# Altium PCB WX0.000.863拼板.PcbDoc (part 8 of 15)
Units mm, origin at the board's own origin, x right, y up, seen from the top; angles counter-clockwise.
Board outline 150.37 x 286.89 mm, 2 copper layers (Top Layer, Bottom Layer); 840 components, 0 nets, 2516 pads, 1604 vias.
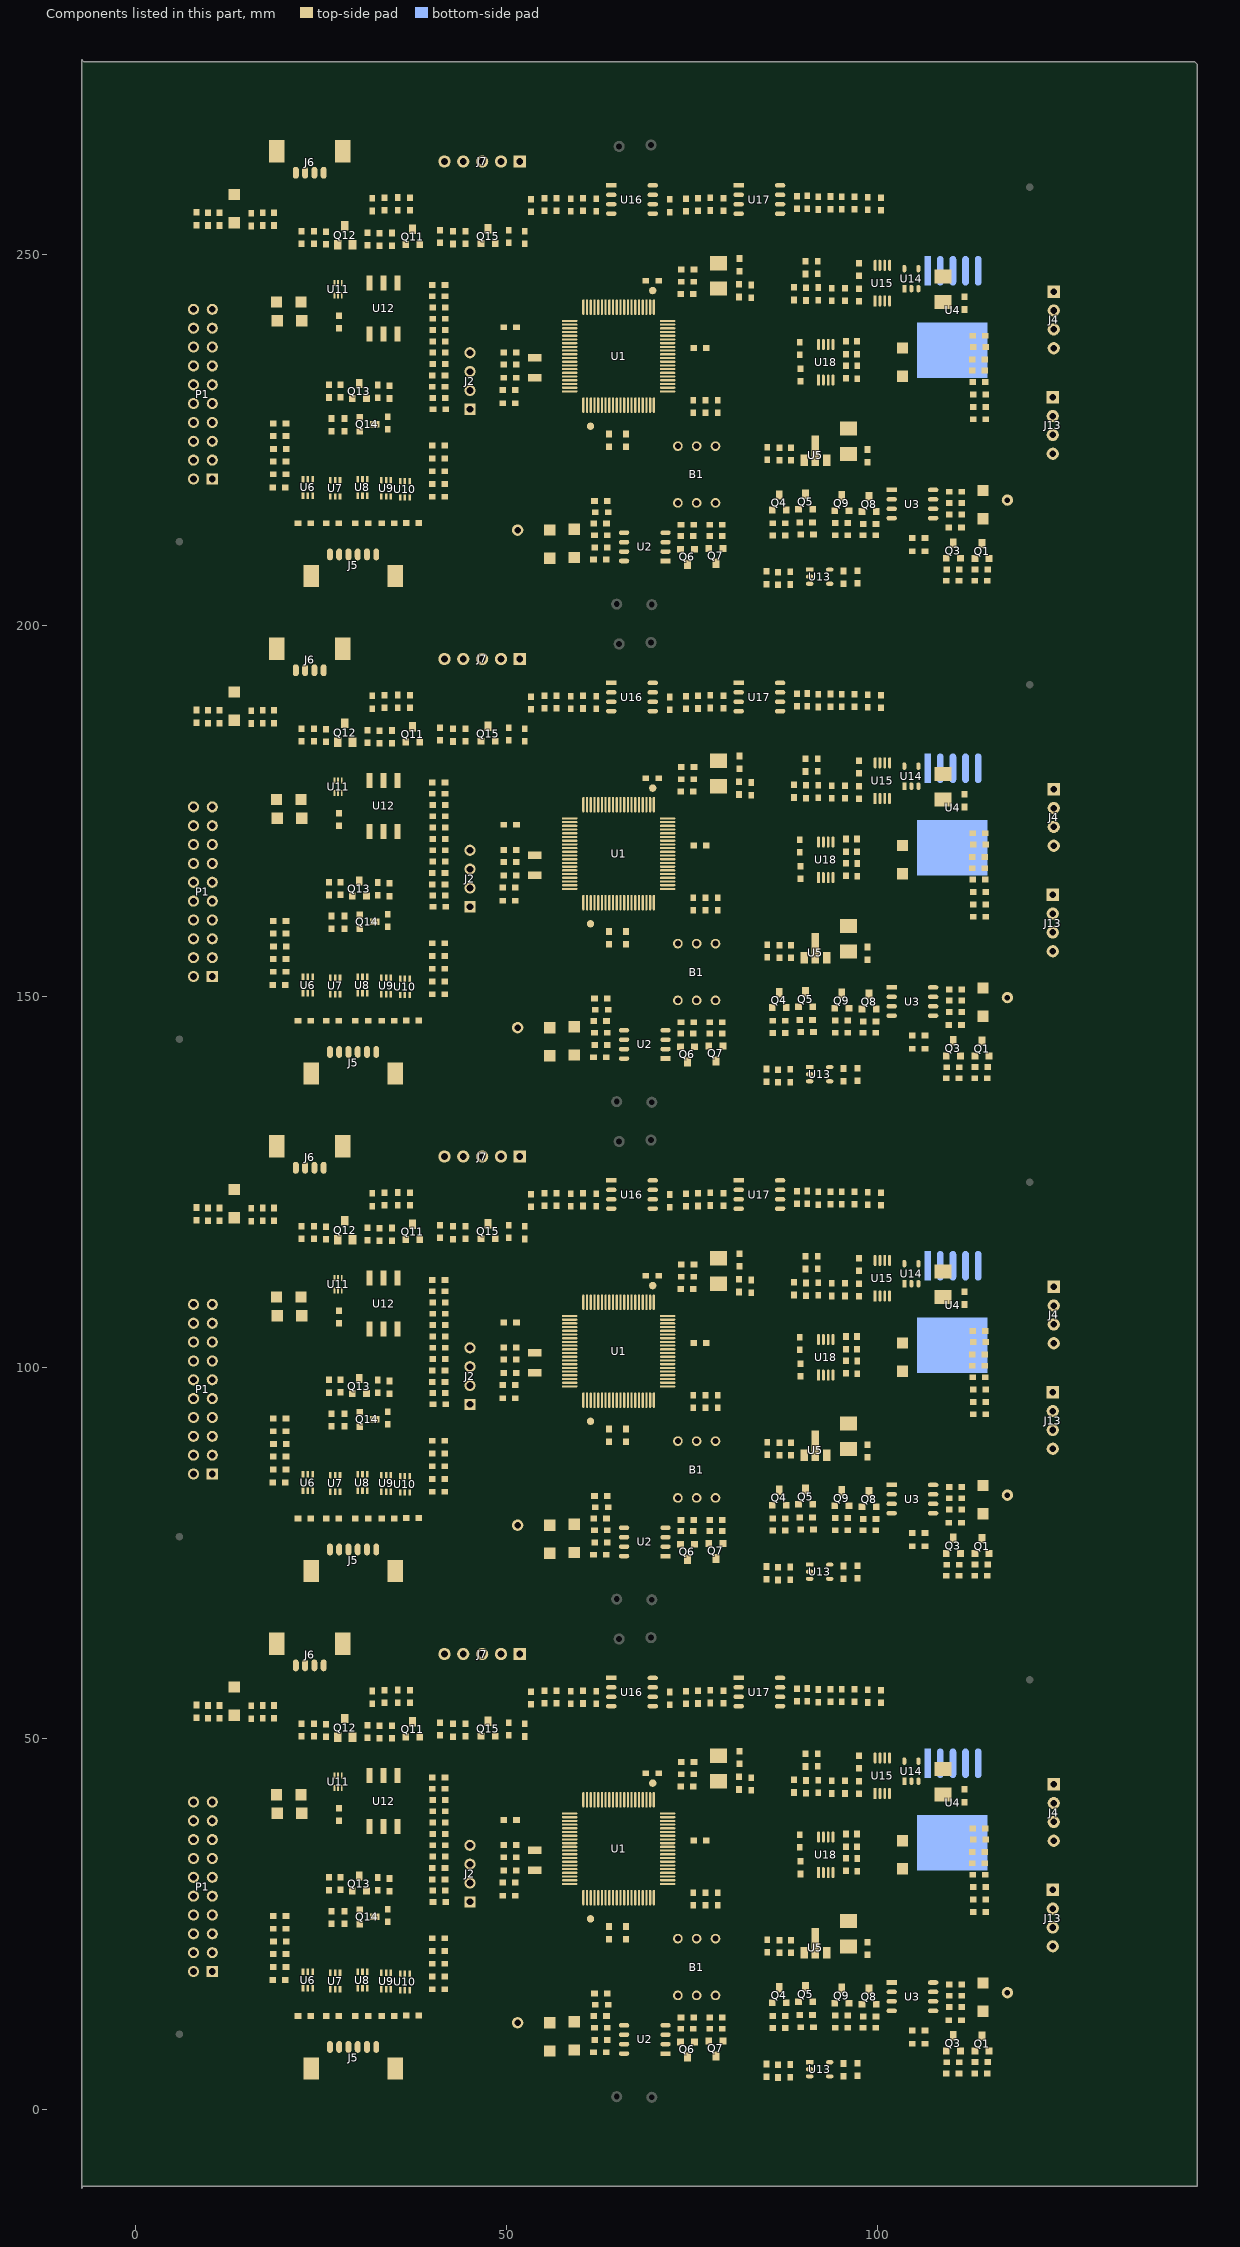
[diagram p8: the components of this part, seen from the top]

## Via types
v1: diameter 0.635, hole 0.381, Top Layer to Bottom Layer, tented both sides, 1604 vias

## Nets (pads, with @x,y where several pads share a name; then routed paths per layer and width w, separated by ;. In a path a pad name is that pad's centre, name@x,y a point inside that pad or via, vN(x,y) a via of type N, cw(c..) or ccw(c..) an arc to the next point about the centre after c; other vN are vias at no path point) (continued)
copper on no net: (continued)
  Top Layer w0.254: 10.363,23.629 10.624,23.629 12.167,25.171 12.167,25.721 17.668,31.223 17.668,32.258 18.974,33.564 26.854,33.564 26.88,33.538 28.103,33.538 29.54,34.976 36.982,34.976 37.922,34.036 40.05,34.036 ; 10.363,23.998 ccw(c10.363,25.518) 11.438,24.443 ; 10.363,24.252 ccw(c10.363,26.385) 11.872,24.876 ; 10.363,26.169 11.974,26.169 17.216,31.41 17.216,32.477 18.755,34.016 27.042,34.016 27.067,33.99 27.915,33.99 29.353,35.428 39.918,35.428 40.05,35.56 ; 10.363,28.709 13.875,28.709 16.764,31.598 16.764,32.664 18.567,34.468 27.753,34.468 29.166,35.88 38.719,35.88 40.05,37.211 ; 10.363,90.685 10.624,90.685 12.167,92.227 12.167,92.777 17.668,98.279 17.668,99.314 18.974,100.62 26.854,100.62 26.88,100.594 28.103,100.594 29.54,102.032 36.982,102.032 37.922,101.092 40.05,101.092 ; 10.363,91.054 ccw(c10.363,92.574) 11.438,91.499 ; 10.363,91.308 ccw(c10.363,93.441) 11.872,91.932 ; 10.363,93.225 11.974,93.225 17.216,98.466 17.216,99.533 18.755,101.072 27.042,101.072 27.067,101.046 27.915,101.046 29.353,102.484 39.918,102.484 40.05,102.616 ; 10.363,95.765 13.875,95.765 16.764,98.654 16.764,99.72 18.567,101.524 27.753,101.524 29.166,102.936 38.719,102.936 40.05,104.267 ; 10.363,157.741 10.624,157.741 12.167,159.283 12.167,159.833 17.668,165.335 17.668,166.37 18.974,167.676 26.854,167.676 26.88,167.65 28.103,167.65 29.54,169.088 36.982,169.088 37.922,168.148 40.05,168.148 ; 10.363,158.11 ccw(c10.363,159.63) 11.438,158.555 ; 10.363,158.364 ccw(c10.363,160.497) 11.872,158.988 ; 10.363,160.281 11.974,160.281 17.216,165.522 17.216,166.589 18.755,168.128 27.042,168.128 27.067,168.102 27.915,168.102 29.353,169.54 39.918,169.54 40.05,169.672 ; 10.363,162.821 13.875,162.821 16.764,165.71 16.764,166.776 18.567,168.58 27.753,168.58 29.166,169.992 38.719,169.992 40.05,171.323 ; 10.363,224.797 10.624,224.797 12.167,226.339 12.167,226.889 17.668,232.391 17.668,233.426 18.974,234.732 26.854,234.732 26.88,234.706 28.103,234.706 29.54,236.144 36.982,236.144 37.922,235.204 40.05,235.204 ; 10.363,225.166 ccw(c10.363,226.686) 11.438,225.611 ; 10.363,225.42 ccw(c10.363,227.553) 11.872,226.044 ; 10.363,227.337 11.974,227.337 17.216,232.578 17.216,233.645 18.755,235.184 27.042,235.184 27.067,235.158 27.915,235.158 29.353,236.596 39.918,236.596 40.05,236.728 ; 10.363,229.877 13.875,229.877 16.764,232.766 16.764,233.832 18.567,235.636 27.753,235.636 29.166,237.048 38.719,237.048 40.05,238.379 ; 10.624,25.908 cw(c11.254,25.278) 11.254,26.169 cw(c11.254,27.059) 10.624,26.43 ; 10.624,28.448 cw(c11.254,27.818) 11.254,28.709 cw(c11.254,29.599) 10.624,28.97 ; 10.624,92.964 cw(c11.254,92.334) 11.254,93.225 cw(c11.254,94.115) 10.624,93.486 ; 10.624,95.504 cw(c11.254,94.874) 11.254,95.765 cw(c11.254,96.655) 10.624,96.026 ; 10.624,160.02 cw(c11.254,159.39) 11.254,160.281 cw(c11.254,161.171) 10.624,160.542 ; 10.624,162.56 cw(c11.254,161.93) 11.254,162.821 cw(c11.254,163.711) 10.624,163.082 ; 10.624,227.076 cw(c11.254,226.446) 11.254,227.337 cw(c11.254,228.227) 10.624,227.598 ; 10.624,229.616 cw(c11.254,228.986) 11.254,229.877 cw(c11.254,230.767) 10.624,230.138 ; 10.804,25.728 cw(c11.867,24.665) 11.867,26.169 cw(c11.867,27.673) 10.804,26.609 ; 10.804,28.268 cw(c11.867,27.205) 11.867,28.709 cw(c11.867,30.213) 10.804,29.149 ; 10.804,92.784 cw(c11.867,91.721) 11.867,93.225 cw(c11.867,94.729) 10.804,93.665 ; 10.804,95.324 cw(c11.867,94.261) 11.867,95.765 cw(c11.867,97.269) 10.804,96.205 ; 10.804,159.84 cw(c11.867,158.777) 11.867,160.281 cw(c11.867,161.785) 10.804,160.721 ; 10.804,162.38 cw(c11.867,161.317) 11.867,162.821 cw(c11.867,164.325) 10.804,163.261 ; 10.804,226.896 cw(c11.867,225.833) 11.867,227.337 cw(c11.867,228.841) 10.804,227.777 ; 10.804,229.436 cw(c11.867,228.373) 11.867,229.877 cw(c11.867,231.381) 10.804,230.317 ; 10.986,23.629 cw(c11.861,23.629) 11.242,24.247 ; 10.986,90.685 cw(c11.861,90.685) 11.242,91.303 ; 10.986,157.741 cw(c11.861,157.741) 11.242,158.359 ; 10.986,224.797 cw(c11.861,224.797) 11.242,225.415 ; v1(17.272,26.111) 17.348,26.035 18.593,26.035 19.456,26.899 21.488,26.899 22.118,26.269 22.118,23.266 22.601,22.784 24.867,22.784 27.005,20.645 34.731,20.645 35.289,20.087 37.958,20.087 38.482,19.563 38.482,17.922 40.005,16.398 40.005,16.154 ; v1(17.272,93.167) 17.348,93.091 18.593,93.091 19.456,93.955 21.488,93.955 22.118,93.325 22.118,90.322 22.601,89.84 24.867,89.84 27.005,87.701 34.731,87.701 35.289,87.143 37.958,87.143 38.482,86.619 38.482,84.978 40.005,83.454 40.005,83.21 ; v1(17.272,160.223) 17.348,160.147 18.593,160.147 19.456,161.011 21.488,161.011 22.118,160.381 22.118,157.378 22.601,156.896 24.867,156.896 27.005,154.757 34.731,154.757 35.289,154.199 37.958,154.199 38.482,153.675 38.482,152.034 40.005,150.51 40.005,150.266 ; v1(17.272,227.279) 17.348,227.203 18.593,227.203 19.456,228.067 21.488,228.067 22.118,227.437 22.118,224.434 22.601,223.952 24.867,223.952 27.005,221.813 34.731,221.813 35.289,221.255 37.958,221.255 38.482,220.731 38.482,219.09 40.005,217.566 40.005,217.322 ; v1@17.407,26.246 ccw(c17.916,26.755) 17.916,26.035 ; v1@17.407,93.302 ccw(c17.916,93.811) 17.916,93.091 ; v1@17.407,160.358 ccw(c17.916,160.867) 17.916,160.147 ; v1@17.407,227.414 ccw(c17.916,227.923) 17.916,227.203 ; 18.353,25.846 ccw(c17.898,25.391) 17.898,26.035 ccw(c17.898,26.679) 18.353,26.224 ; 18.353,92.902 ccw(c17.898,92.447) 17.898,93.091 ccw(c17.898,93.735) 18.353,93.28 ; 18.353,159.958 ccw(c17.898,159.503) 17.898,160.147 ccw(c17.898,160.791) 18.353,160.336 ; 18.353,227.014 ccw(c17.898,226.559) 17.898,227.203 ccw(c17.898,227.847) 18.353,227.392 ; 18.644,26.302 ccw(c18.644,26.823) 19.012,26.454 ; 18.644,93.358 ccw(c18.644,93.879) 19.012,93.51 ; 18.644,160.414 ccw(c18.644,160.935) 19.012,160.566 ; 18.644,227.47 ccw(c18.644,227.991) 19.012,227.622 ; 18.91,26.035 cw(c19.677,26.035) 19.135,26.577 ; 18.91,93.091 cw(c19.677,93.091) 19.135,93.633 ; 18.91,160.147 cw(c19.677,160.147) 19.135,160.689 ; 18.91,227.203 cw(c19.677,227.203) 19.135,227.745 ; 20.193,17.399 20.752,17.399 ; 20.193,84.455 20.752,84.455 ; 20.193,151.511 20.752,151.511 ; 20.193,218.567 20.752,218.567 ; 20.246,17.386 cw(c20.391,16.527) 21.008,17.143 ; 20.246,84.442 cw(c20.391,83.583) 21.008,84.199 ; 20.246,151.498 cw(c20.391,150.639) 21.008,151.255 ; 20.246,218.554 cw(c20.391,217.695) 21.008,218.311 ; 20.251,17.389 cw(c20.504,17.055) 20.8,17.351 ; 20.251,84.445 cw(c20.504,84.111) 20.8,84.407 ; 20.251,151.501 cw(c20.504,151.167) 20.8,151.463 ; 20.251,218.557 cw(c20.504,218.223) 20.8,218.519 ; 20.295,19.177 21.913,19.177 22.591,18.499 ; 20.295,20.892 23.99,20.892 26.274,18.608 26.274,18.372 ; 20.295,24.32 21.133,23.482 21.133,22.433 21.77,21.796 24.365,21.796 26.425,19.736 32.131,19.736 33.208,18.659 ; 20.295,26.035 21.666,24.663 21.666,22.626 22.045,22.248 24.641,22.248 26.695,20.193 34.544,20.193 35.672,19.065 35.672,18.245 ; 20.295,86.233 21.913,86.233 22.591,85.555 ; 20.295,87.947 23.99,87.947 26.274,85.664 26.274,85.428 ; 20.295,91.376 21.133,90.538 21.133,89.489 21.77,88.852 24.365,88.852 26.425,86.792 32.131,86.792 33.208,85.715 ; 20.295,93.091 21.666,91.719 21.666,89.682 22.045,89.304 24.641,89.304 26.695,87.249 34.544,87.249 35.672,86.121 35.672,85.301 ; 20.295,153.289 21.913,153.289 22.591,152.611 ; 20.295,155.004 23.99,155.004 26.274,152.72 26.274,152.484 ; 20.295,158.433 21.133,157.594 21.133,156.545 21.77,155.908 24.365,155.908 26.425,153.848 32.131,153.848 33.208,152.771 ; 20.295,160.147 21.666,158.775 21.666,156.738 22.045,156.36 24.641,156.36 26.695,154.305 34.544,154.305 35.672,153.177 35.672,152.357 ; 20.295,220.345 21.913,220.345 22.591,219.667 ; 20.295,222.059 23.99,222.059 26.274,219.776 26.274,219.54 ; 20.295,225.488 21.133,224.65 21.133,223.601 21.77,222.964 24.365,222.964 26.425,220.904 32.131,220.904 33.208,219.827 ; 20.295,227.203 21.666,225.831 21.666,223.794 22.045,223.416 24.641,223.416 26.695,221.361 34.544,221.361 35.672,220.233 35.672,219.413 ; 20.32,22.606 21.582,21.344 24.178,21.344 25.301,20.221 26.238,19.284 29.662,19.284 29.957,18.989 29.957,18.499 ; 20.32,89.662 21.582,88.4 24.178,88.4 25.301,87.277 26.238,86.34 29.662,86.34 29.957,86.045 29.957,85.555 ; 20.32,156.718 21.582,155.456 24.178,155.456 25.301,154.333 26.238,153.396 29.662,153.396 29.957,153.101 29.957,152.611 ; 20.32,223.774 21.582,222.512 24.178,222.512 25.301,221.389 26.238,220.452 29.662,220.452 29.957,220.157 29.957,219.667 ; 20.345,24.054 cw(c20.345,23.533) 20.714,23.901 ; 20.345,25.768 cw(c20.345,25.247) 20.714,25.616 ; 20.345,91.11 cw(c20.345,90.589) 20.714,90.957 ; 20.345,92.824 cw(c20.345,92.303) 20.714,92.672 ; 20.345,158.166 cw(c20.345,157.645) 20.714,158.013 ; 20.345,159.88 cw(c20.345,159.359) 20.714,159.728 ; 20.345,225.222 cw(c20.345,224.701) 20.714,225.069 ; 20.345,226.936 cw(c20.345,226.415) 20.714,226.784 ; 20.405,17.186 cw(c20.682,16.821) 21.006,17.145 ; 20.405,84.242 cw(c20.682,83.877) 21.006,84.201 ; 20.405,151.298 cw(c20.682,150.933) 21.006,151.257 ; 20.405,218.354 cw(c20.682,217.989) 21.006,218.313 ; 20.463,17.248 cw(c20.752,17.049) 20.752,17.399 ; 20.463,17.55 ccw(c20.752,17.749) 20.752,17.399 ; 20.463,84.304 cw(c20.752,84.105) 20.752,84.455 ; 20.463,84.606 ccw(c20.752,84.805) 20.752,84.455 ; 20.463,151.36 cw(c20.752,151.161) 20.752,151.511 ; 20.463,151.662 ccw(c20.752,151.861) 20.752,151.511 ; 20.463,218.416 cw(c20.752,218.217) 20.752,218.567 ; 20.463,218.718 ccw(c20.752,218.917) 20.752,218.567 ; 20.534,18.988 cw(c20.989,18.533) 20.989,19.177 cw(c20.989,19.821) 20.534,19.366 ; 20.534,20.703 cw(c20.989,20.248) 20.989,20.892 cw(c20.989,21.535) 20.534,21.08 ; 20.534,86.044 cw(c20.989,85.589) 20.989,86.233 cw(c20.989,86.877) 20.534,86.422 ; 20.534,87.759 cw(c20.989,87.304) 20.989,87.947 cw(c20.989,88.591) 20.534,88.136 ; 20.534,153.1 cw(c20.989,152.645) 20.989,153.289 cw(c20.989,153.933) 20.534,153.478 ; 20.534,154.815 cw(c20.989,154.36) 20.989,155.004 cw(c20.989,155.647) 20.534,155.192 ; 20.534,220.156 cw(c20.989,219.701) 20.989,220.345 cw(c20.989,220.989) 20.534,220.534 ; 20.534,221.871 cw(c20.989,221.416) 20.989,222.059 cw(c20.989,222.703) 20.534,222.248 ; 20.612,24.32 ccw(c21.379,24.32) 20.837,23.778 ; 20.612,26.035 ccw(c21.379,26.035) 20.837,25.493 ; 20.612,91.376 ccw(c21.379,91.376) 20.837,90.834 ; 20.612,93.091 ccw(c21.379,93.091) 20.837,92.549 ; 20.612,158.433 ccw(c21.379,158.433) 20.837,157.89 ; 20.612,160.147 ccw(c21.379,160.147) 20.837,159.605 ; 20.612,225.488 ccw(c21.379,225.488) 20.837,224.946 ; 20.612,227.203 ccw(c21.379,227.203) 20.837,226.661 ; 22.082,19.008 ccw(c22.591,19.516) 22.591,18.797 ; 22.082,86.064 ccw(c22.591,86.572) 22.591,85.853 ; 22.082,153.12 ccw(c22.591,153.628) 22.591,152.909 ; 22.082,220.176 ccw(c22.591,220.684) 22.591,219.965 ; 22.516,18.574 ccw(c22.591,18.649) 22.591,18.543 ; 22.516,85.63 ccw(c22.591,85.705) 22.591,85.599 ; 22.516,152.686 ccw(c22.591,152.761) 22.591,152.655 ; 22.516,219.742 ccw(c22.591,219.817) 22.591,219.711 ; 23.891,16.299 23.891,17.034 23.876,17.049 ; 23.891,83.355 23.891,84.09 23.876,84.105 ; 23.891,150.411 23.891,151.146 23.876,151.161 ; 23.891,217.467 23.891,218.202 23.876,218.217 ; 25.516,52.132 ccw(c25.061,52.587) 25.705,52.587 ccw(c26.349,52.587) 25.893,52.132 ; 25.516,119.188 ccw(c25.061,119.643) 25.705,119.643 ccw(c26.349,119.643) 25.893,119.188 ; 25.516,186.244 ccw(c25.061,186.699) 25.705,186.699 ccw(c26.349,186.699) 25.893,186.244 ; 25.516,253.3 ccw(c25.061,253.755) 25.705,253.755 ccw(c26.349,253.755) 25.893,253.3 ; 25.705,51.892 25.705,52.781 26.721,53.797 29.317,53.797 29.748,54.229 29.748,57.236 30.318,57.805 43.79,57.805 44.145,58.161 44.145,61.011 43.815,61.341 ; 25.705,118.948 25.705,119.837 26.721,120.853 29.317,120.853 29.748,121.285 29.748,124.292 30.318,124.861 43.79,124.861 44.145,125.217 44.145,128.067 43.815,128.397 ; 25.705,186.004 25.705,186.893 26.721,187.909 29.317,187.909 29.748,188.341 29.748,191.348 30.318,191.917 43.79,191.917 44.145,192.273 44.145,195.123 43.815,195.453 ; 25.705,253.06 25.705,253.949 26.721,254.965 29.317,254.965 29.748,255.397 29.748,258.404 30.318,258.973 43.79,258.973 44.145,259.329 44.145,262.179 43.815,262.509 ; 26.416,26.695 28.194,26.695 28.372,26.873 30.226,26.873 ; 26.416,93.751 28.194,93.751 28.372,93.929 30.226,93.929 ; 26.416,160.807 28.194,160.807 28.372,160.985 30.226,160.985 ; 26.416,227.863 28.194,227.863 28.372,228.041 30.226,228.041 ; 26.605,26.506 cw(c27.06,26.051) 27.06,26.695 cw(c27.06,27.339) 26.605,26.884 ; 26.605,93.562 cw(c27.06,93.107) 27.06,93.751 cw(c27.06,94.395) 26.605,93.94 ; 26.605,160.618 cw(c27.06,160.163) 27.06,160.807 cw(c27.06,161.451) 26.605,160.996 ; 26.605,227.674 cw(c27.06,227.219) 27.06,227.863 cw(c27.06,228.507) 26.605,228.052 ; 27.574,16.172 27.574,17.039 27.584,17.049 ; 27.574,83.228 27.574,84.095 27.584,84.105 ; 27.574,150.284 27.574,151.151 27.584,151.161 ; 27.574,217.34 27.574,218.207 27.584,218.217 ; 28.005,26.506 ccw(c27.55,26.051) 27.55,26.695 ccw(c27.55,27.339) 28.005,26.884 ; 28.005,93.562 ccw(c27.55,93.107) 27.55,93.751 ccw(c27.55,94.395) 28.005,93.94 ; 28.005,160.618 ccw(c27.55,160.163) 27.55,160.807 ccw(c27.55,161.451) 28.005,160.996 ; 28.005,227.674 ccw(c27.55,227.219) 27.55,227.863 ccw(c27.55,228.507) 28.005,228.052 ; 28.383,26.557 cw(c29.144,25.795) 29.144,26.873 ; 28.383,93.613 cw(c29.144,92.851) 29.144,93.929 ; 28.383,160.669 cw(c29.144,159.907) 29.144,160.985 ; 28.383,227.725 cw(c29.144,226.963) 29.144,228.041 ; v1@28.933,31.225 cw(c28.45,30.672) 29.185,30.672 ; v1@28.933,98.281 cw(c28.45,97.728) 29.185,97.728 ; v1@28.933,165.337 cw(c28.45,164.784) 29.185,164.784 ; v1@28.933,232.393 cw(c28.45,231.84) 29.185,231.84 ; v1(29.058,31.369) 29.185,31.369 29.185,30.683 29.489,30.378 30.149,30.378 31.14,29.388 31.267,29.515 32.664,29.515 ; v1(29.058,98.425) 29.185,98.425 29.185,97.739 29.489,97.434 30.149,97.434 31.14,96.444 31.267,96.571 32.664,96.571 ; v1(29.058,165.481) 29.185,165.481 29.185,164.795 29.489,164.49 30.149,164.49 31.14,163.5 31.267,163.627 32.664,163.627 ; v1(29.058,232.537) 29.185,232.537 29.185,231.851 29.489,231.546 30.149,231.546 31.14,230.556 31.267,230.683 32.664,230.683 ; 29.705,19.24 cw(c29.214,18.749) 29.909,18.749 ; 29.705,86.296 cw(c29.214,85.805) 29.909,85.805 ; 29.705,153.352 cw(c29.214,152.861) 29.909,152.861 ; 29.705,220.408 cw(c29.214,219.917) 29.909,219.917 ; v1(29.794,48.057) 29.794,48.184 30.963,48.184 31.242,47.904 35.56,47.904 35.712,48.057 37.832,48.057 38.304,48.529 55.432,48.529 58.663,51.76 98.349,51.76 98.704,52.116 98.704,54.813 ; v1(29.794,115.113) 29.794,115.24 30.963,115.24 31.242,114.96 35.56,114.96 35.712,115.113 37.832,115.113 38.304,115.585 55.432,115.585 58.663,118.816 98.349,118.816 98.704,119.172 98.704,121.869 ; v1(29.794,182.169) 29.794,182.296 30.963,182.296 31.242,182.016 35.56,182.016 35.712,182.169 37.832,182.169 38.304,182.641 55.432,182.641 58.663,185.872 98.349,185.872 98.704,186.228 98.704,188.925 ; v1(29.794,249.225) 29.794,249.352 30.963,249.352 31.242,249.072 35.56,249.072 35.712,249.225 37.832,249.225 38.304,249.697 55.432,249.697 58.663,252.928 98.349,252.928 98.704,253.284 98.704,255.981 ; v1@29.929,47.922 cw(c30.561,47.29) 30.561,48.184 ; v1@29.929,114.978 cw(c30.561,114.346) 30.561,115.24 ; v1@29.929,182.034 cw(c30.561,181.402) 30.561,182.296 ; v1@29.929,249.09 cw(c30.561,248.458) 30.561,249.352 ; 29.993,26.639 ccw(c29.429,26.076) 29.429,26.873 ccw(c29.429,27.67) 29.993,27.106 ; 29.993,93.695 ccw(c29.429,93.132) 29.429,93.929 ccw(c29.429,94.726) 29.993,94.162 ; 29.993,160.751 ccw(c29.429,160.188) 29.429,160.985 ccw(c29.429,161.782) 29.993,161.218 ; 29.993,227.807 ccw(c29.429,227.244) 29.429,228.041 ccw(c29.429,228.838) 29.993,228.274 ; v1(30.15,34.214) 30.175,34.188 30.175,33.985 30.757,33.404 30.757,33.2 31.521,32.436 35.398,32.436 35.88,31.954 35.88,25.973 37.88,23.973 63.19,23.973 63.83,24.613 63.85,24.633 63.85,27.839 63.9,27.889 63.9,28.478 63.875,28.503 ; v1(30.15,101.27) 30.175,101.244 30.175,101.041 30.757,100.46 30.757,100.256 31.521,99.492 35.398,99.492 35.88,99.01 35.88,93.029 37.88,91.029 63.19,91.029 63.83,91.669 63.85,91.689 63.85,94.895 63.9,94.945 63.9,95.534 63.875,95.559 ; v1(30.15,168.326) 30.175,168.3 30.175,168.097 30.757,167.516 30.757,167.312 31.521,166.548 35.398,166.548 35.88,166.066 35.88,160.085 37.88,158.085 63.19,158.085 63.83,158.725 63.85,158.745 63.85,161.951 63.9,162.001 63.9,162.59 63.875,162.615 ; v1(30.15,235.382) 30.175,235.356 30.175,235.153 30.757,234.572 30.757,234.368 31.521,233.604 35.398,233.604 35.88,233.122 35.88,227.141 37.88,225.141 63.19,225.141 63.83,225.781 63.85,225.801 63.85,229.007 63.9,229.057 63.9,229.646 63.875,229.671 ; v1@30.34,34.214 ccw(c31.291,34.214) 30.619,33.542 ; v1@30.34,101.27 ccw(c31.291,101.27) 30.619,100.598 ; v1@30.34,168.326 ccw(c31.291,168.326) 30.619,167.654 ; v1@30.34,235.382 ccw(c31.291,235.382) 30.619,234.71 ; 30.81,29.388 ccw(c30.013,29.388) 30.576,29.951 ccw(c31.14,30.515) 31.14,29.718 ; 30.81,96.444 ccw(c30.013,96.444) 30.576,97.007 ccw(c31.14,97.571) 31.14,96.774 ; 30.81,163.5 ccw(c30.013,163.5) 30.576,164.063 ccw(c31.14,164.627) 31.14,163.83 ; 30.81,230.556 ccw(c30.013,230.556) 30.576,231.119 ccw(c31.14,231.683) 31.14,230.886 ; v1(30.988,53.01) 35.382,53.01 36.195,52.197 37.363,52.197 37.363,54.42 37.008,54.775 35.369,54.775 35.357,54.788 ; v1(30.988,120.066) 35.382,120.066 36.195,119.253 37.363,119.253 37.363,121.476 37.008,121.831 35.369,121.831 35.357,121.844 ; v1(30.988,187.122) 35.382,187.122 36.195,186.309 37.363,186.309 37.363,188.532 37.008,188.887 35.369,188.887 35.357,188.9 ; v1(30.988,254.178) 35.382,254.178 36.195,253.365 37.363,253.365 37.363,255.588 37.008,255.943 35.369,255.943 35.357,255.956 ; 31.079,49.849 ccw(c30.624,49.394) 30.624,50.038 ccw(c30.624,50.682) 31.079,50.227 ; 31.079,116.905 ccw(c30.624,116.45) 30.624,117.094 ccw(c30.624,117.738) 31.079,117.283 ; 31.079,183.961 ccw(c30.624,183.506) 30.624,184.15 ccw(c30.624,184.794) 31.079,184.339 ; 31.079,251.017 ccw(c30.624,250.562) 30.624,251.206 ccw(c30.624,251.85) 31.079,251.395 ; v1@31.123,52.875 cw(c31.448,52.55) 31.448,53.01 cw(c31.448,53.47) v1@31.123,53.145 ; v1@31.123,119.931 cw(c31.448,119.606) 31.448,120.066 cw(c31.448,120.526) v1@31.123,120.201 ; v1@31.123,186.987 cw(c31.448,186.662) 31.448,187.122 cw(c31.448,187.582) v1@31.123,187.257 ; v1@31.123,254.043 cw(c31.448,253.718) 31.448,254.178 cw(c31.448,254.638) v1@31.123,254.313 ; 31.194,29.334 cw(c31.631,28.897) 31.631,29.515 cw(c31.631,29.878) 31.373,29.621 ; 31.194,96.39 cw(c31.631,95.953) 31.631,96.571 cw(c31.631,96.934) 31.373,96.677 ; 31.194,163.446 cw(c31.631,163.009) 31.631,163.627 cw(c31.631,163.99) 31.373,163.733 ; 31.194,230.502 cw(c31.631,230.065) 31.631,230.683 cw(c31.631,231.046) 31.373,230.789 ; 31.257,16.299 31.257,17.039 31.267,17.049 ; 31.257,83.355 31.257,84.095 31.267,84.105 ; 31.257,150.411 31.257,151.151 31.267,151.161 ; 31.257,217.467 31.257,218.207 31.267,218.217 ; 31.267,50.038 30.556,50.038 30.201,50.394 30.201,57.048 30.505,57.353 44.221,57.353 44.78,57.912 44.78,59.766 46.355,61.341 ; 31.267,117.094 30.556,117.094 30.201,117.45 30.201,124.104 30.505,124.409 44.221,124.409 44.78,124.968 44.78,126.822 46.355,128.397 ; 31.267,184.15 30.556,184.15 30.201,184.506 30.201,191.16 30.505,191.465 44.221,191.465 44.78,192.024 44.78,193.878 46.355,195.453 ; 31.267,251.206 30.556,251.206 30.201,251.562 30.201,258.216 30.505,258.521 44.221,258.521 44.78,259.08 44.78,260.934 46.355,262.509 ; 31.373,29.154 cw(c32.244,28.284) 32.244,29.515 ; 31.373,96.21 cw(c32.244,95.34) 32.244,96.571 ; 31.373,163.266 cw(c32.244,162.396) 32.244,163.627 ; 31.373,230.322 cw(c32.244,229.452) 32.244,230.683 ; 31.934,17.049 31.699,17.049 ; 31.934,84.105 31.699,84.105 ; 31.934,151.161 31.699,151.161 ; 31.934,218.217 31.699,218.217 ; 32.258,25.933 33.198,24.993 ; 32.258,92.989 33.198,92.049 ; 32.258,160.045 33.198,159.105 ; 32.258,227.101 33.198,226.161 ; 32.436,25.603 cw(c32.436,25.235) 32.696,25.495 ; 32.436,92.659 cw(c32.436,92.291) 32.696,92.551 ; 32.436,159.715 cw(c32.436,159.347) 32.696,159.607 ; 32.436,226.771 cw(c32.436,226.403) 32.696,226.663 ; 32.475,29.326 ccw(c32.02,28.871) 32.02,29.515 ccw(c32.02,30.159) 32.475,29.703 ; 32.475,96.382